# KiCad board q2v2.kicad_pcb (continued)
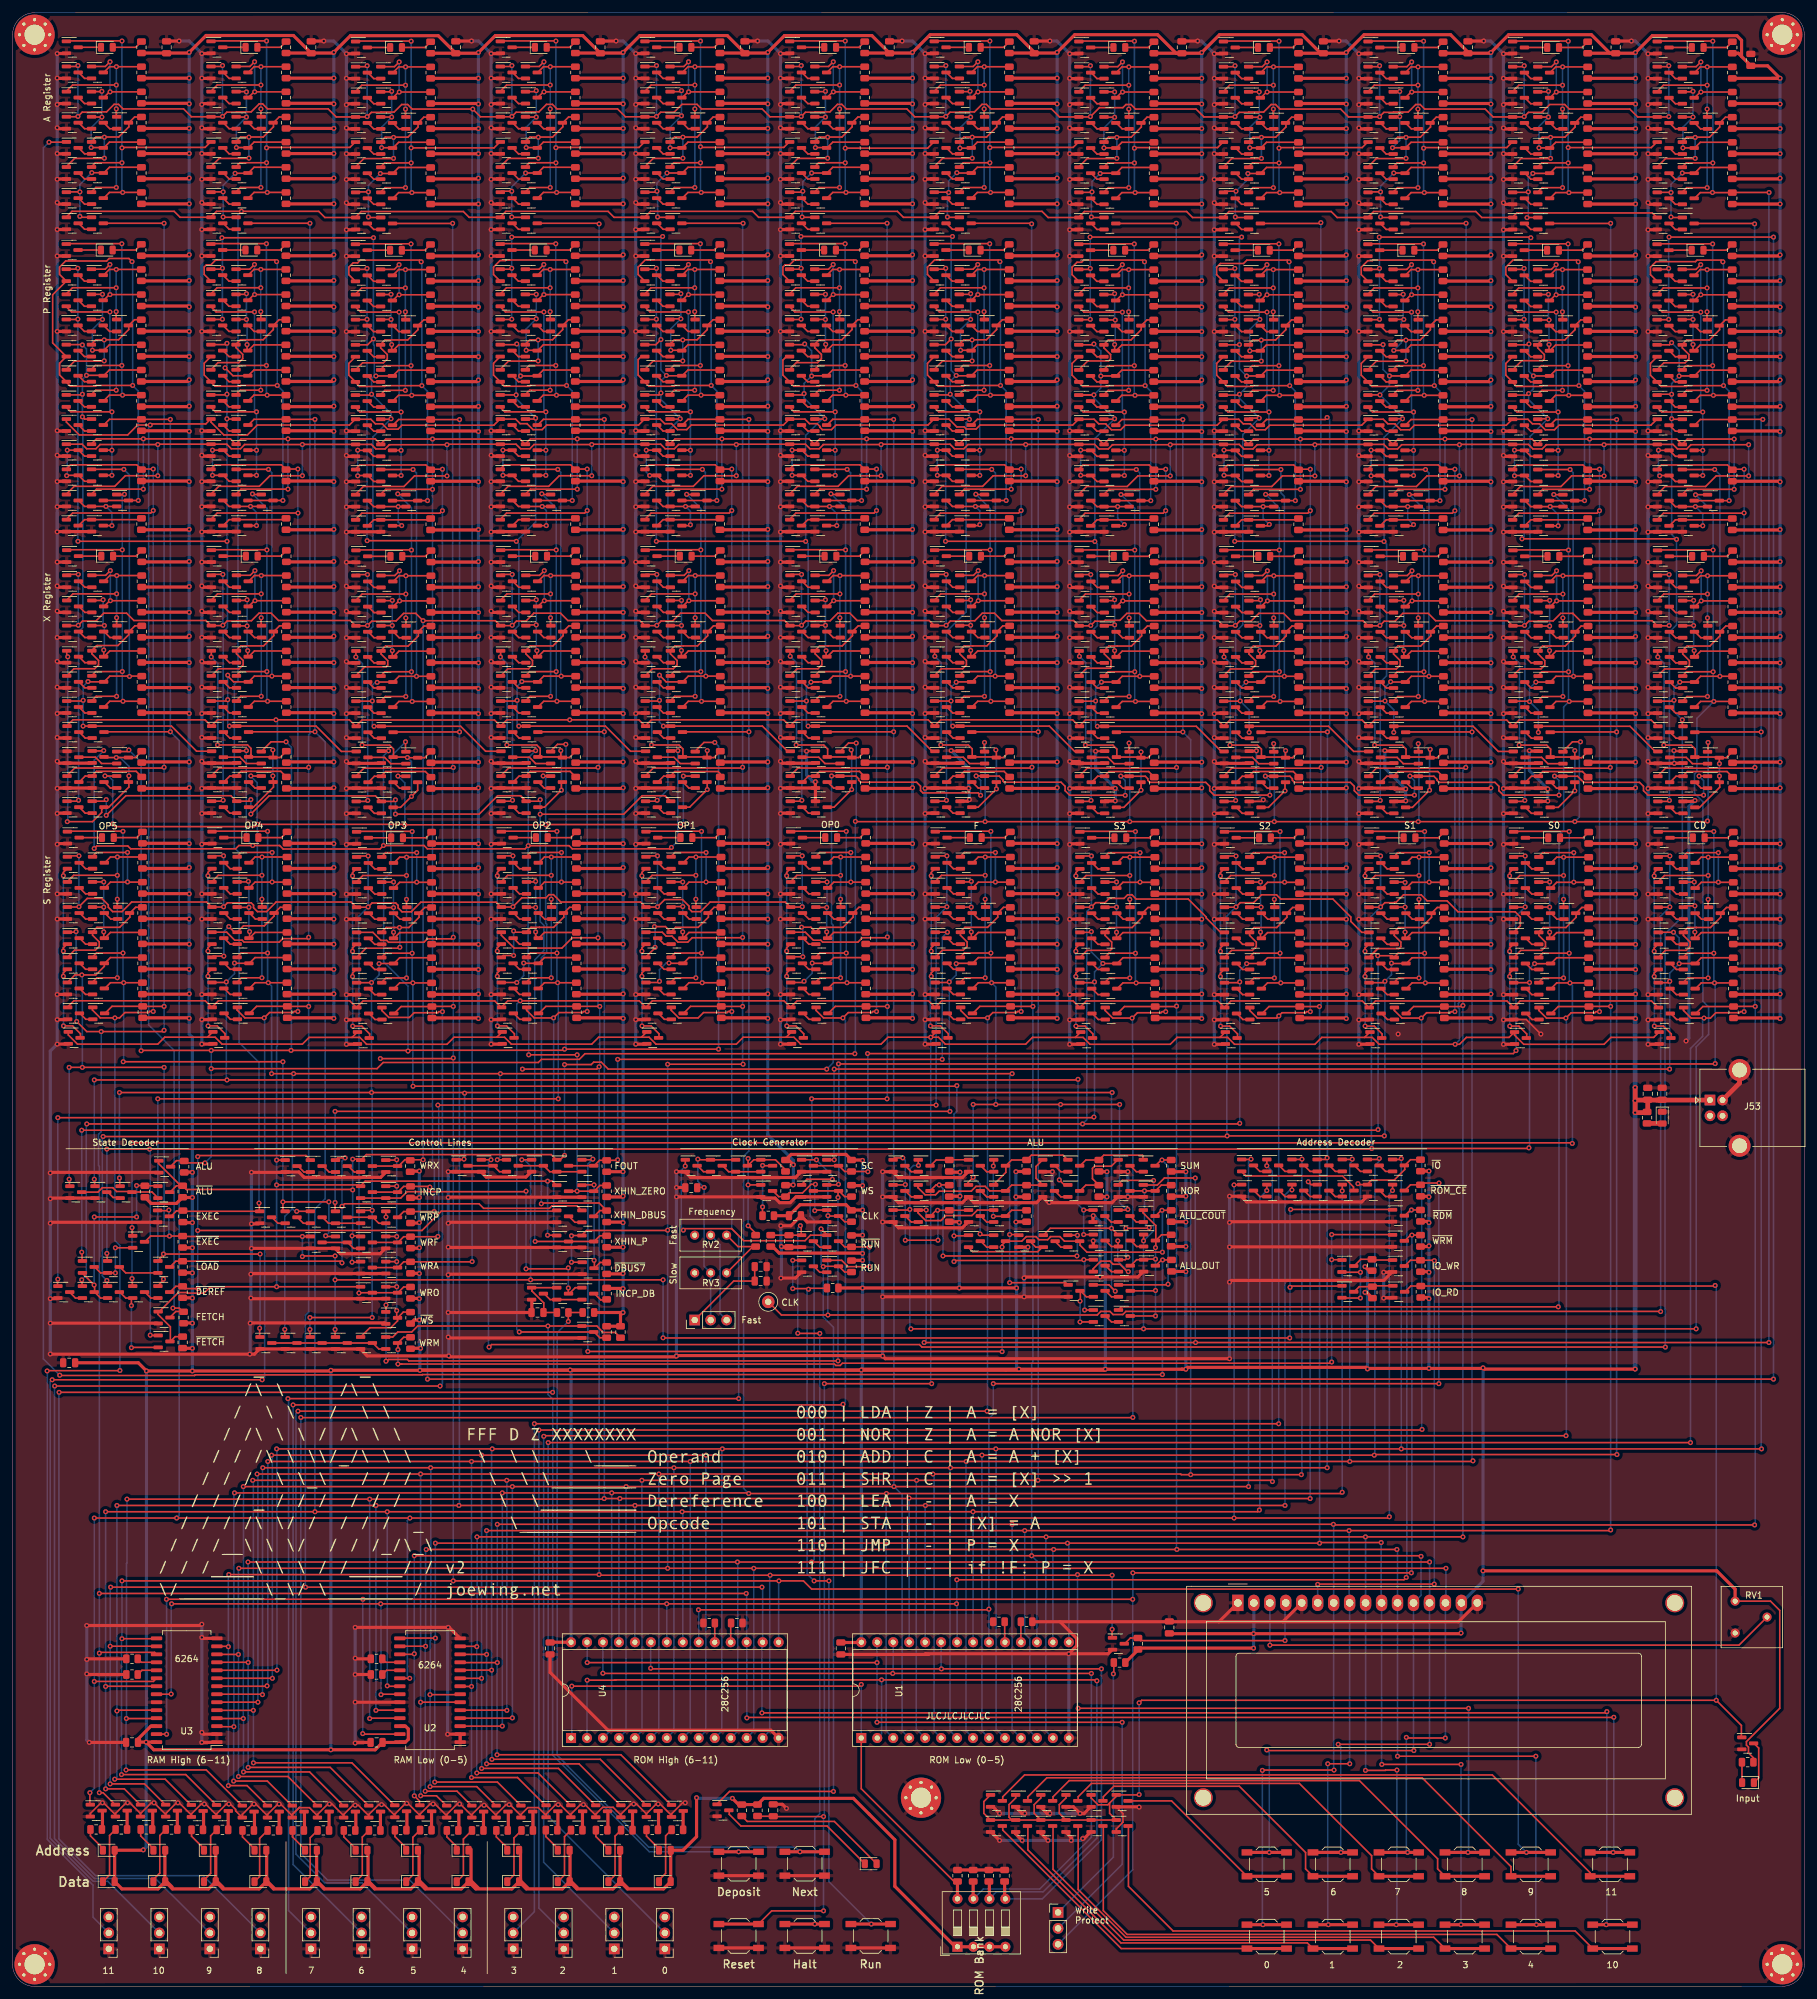
[diagram p0: board, top side]
## Routing (per net, layer and track width the routed paths; a pad name or vN(x,y) marks a point on that pad's centre or on a via; arc(x,y) is an arc through that point) (continued)
Q722.2 ; v1(7.1,279.53) 8.45,279.53 ; 8.55,218.62 7.31,218.62 v1(7.1,218.83) ; 159.5,28.58 160.55,27.53 v1(161,27.53) ; v1(7.1,303.63) 7.15,303.58 8.5,303.58 ; 8.5,283.58 7.35,283.58 v1(7.1,283.83) ; 8.66,173.84 7.11,173.84 v1(7.1,173.83) ; v1(69.3,121.43) 69.45,121.58 86.5,121.58 ; 167.5,28.58 168.75,28.58 v1(169.8,27.53) 170.45,27.53 171.5,28.58 ; v1(165,309.53) 162.55,309.53 ; v1(179.2,28.53) 179.15,28.58 175.5,28.58 ; v1(118.5,309.53) 116.55,309.53 ; v1(26.5,309.53) 24.55,309.53 ; Q885.1 221.52,188.55 v1(221.6,188.63) ; C19.1 v1(12.2,38.83) ; v1(7.1,149.93) 8.75,149.93 ; 8.5,239.48 7.15,239.48 v1(7.1,239.43) ; v1(6,109.43) 7.05,109.43 ; v1(38,121.33) 39.15,121.33 ; v1(160.6,23.23) 159.5,24.33 159.5,24.58 ; v1(221.6,190.53) 219.83,190.53 Q888.2 ; v1(105.6,127.13) 106.95,127.13 ; SW4.2 SW4.2 ; v1(188.5,309.53) 186.05,309.53 ; v1(7.1,235.43) 7.15,235.48 8.5,235.48 ; 265.65,188.55 267.46,188.55 v1(267.61,188.7) ; v1(161.5,117.63) Q279.2 ; 155.95,28.58 v1(157,27.53) ; v1(177.4,129.63) Q260.2 ; R1.2 v1(54.5,49.63) ; v1(193.57,117.65) 193.6,117.68 219.45,117.68 ; Q556.2 Q553.1 ; v1(257.5,309.53) 255.05,309.53 ; v1(211,309.53) 208.55,309.53 ; SW8.2 SW8.2
  Top w0.75: J53.5 274.71,143.74 J53.4
  Bottom w0.25: v1(264.27,196.63) 264.27,194.65 v1(264.33,194.6) ; v1(197.85,196.6) 197.85,189.9 v1(198.95,188.8)
  Bottom w0.5: v1(30.1,186.63) v1(30.1,190.63) v1(30.1,194.93) v1(30.1,198.73) v1(30.1,202.53) v1(30.1,206.73) v1(30.1,210.83) v1(30.1,214.63) v1(30.1,218.83) v1(30.1,222.83) v1(30.1,226.63) 30.1,234.43 ; v1(30.1,231.43) v1(30.1,235.43) v1(30.1,239.43) v1(30.1,243.63) v1(30.1,247.53) v1(30.1,263.33) v1(30.1,275.33) v1(30.1,279.53) v1(30.1,283.83) v1(30.1,287.53) v1(30.1,291.63) v1(30.1,295.73) v1(30.1,299.43) v1(30.1,303.63) v1(30.1,307.53) 28.1,309.53 v1(26.5,309.53) ; 30.1,189.63 v1(30.1,181.73) v1(30.1,173.83) v1(30.1,169.83) v1(30.1,157.83) v1(30.1,153.83) v1(30.1,149.93) ; v1(99.12,279.52) v1(99.12,283.82) v1(99.12,287.52) v1(99.12,291.62) v1(99.12,295.72) v1(99.12,299.42) v1(99.12,303.62) v1(99.12,307.52) 97.12,309.53 v1(96,309.53) ; v1(99.12,186.62) v1(99.12,190.62) v1(99.12,194.92) v1(99.12,198.72) v1(99.12,202.52) v1(99.12,206.72) v1(99.12,210.82) v1(99.12,214.62) v1(99.12,218.82) v1(99.12,222.82) v1(99.12,226.62) 99.12,234.42 ; v1(99.12,231.42) v1(99.12,235.42) v1(99.12,239.42) v1(99.12,243.62) v1(99.12,247.52) v1(99.12,263.32) v1(99.12,275.32) 99.12,283.02 ; 99.12,189.62 v1(99.12,181.72) v1(99.12,173.82) v1(99.12,169.82) v1(99.12,157.82) v1(99.12,153.82) v1(99.12,149.92) ; v1(76.12,186.62) v1(76.12,190.62) v1(76.12,194.92) v1(76.12,198.72) v1(76.12,202.52) v1(76.12,206.72) v1(76.12,210.82) v1(76.12,214.62) v1(76.12,218.82) v1(76.12,222.82) v1(76.12,226.62) 76.12,234.42 ; v1(76.12,231.42) v1(76.12,235.42) v1(76.12,239.42) v1(76.12,243.62) v1(76.12,247.52) v1(76.12,263.32) v1(76.12,275.32) v1(76.12,279.52) v1(76.12,283.82) v1(76.12,287.52) v1(76.12,291.62) v1(76.12,295.72) v1(76.12,299.42) v1(76.12,303.62) v1(76.12,307.52) 74.12,309.53 v1(73,309.53) ; 76.12,189.62 v1(76.12,181.72) v1(76.12,173.82) v1(76.12,169.82) v1(76.12,157.82) v1(76.12,153.82) v1(76.12,149.92) ; v1(53.1,186.6) v1(53.1,190.6) v1(53.1,194.9) v1(53.1,198.7) v1(53.1,202.5) v1(53.1,206.7) v1(53.1,210.8) v1(53.1,214.6) v1(53.1,218.8) v1(53.1,222.8) v1(53.1,226.6) 53.1,234.4 ; v1(53.1,231.4) v1(53.1,235.4) v1(53.1,239.4) v1(53.1,243.6) v1(53.1,247.5) v1(53.1,263.3) v1(53.1,275.3) v1(53.1,279.5) v1(53.1,283.8) v1(53.1,287.5) v1(53.1,291.6) v1(53.1,295.7) v1(53.1,299.4) v1(53.1,303.6) v1(53.1,307.5) 51.07,309.53 v1(49.5,309.53) ; 53.1,189.6 v1(53.1,181.7) v1(53.1,173.8) v1(53.1,169.8) v1(53.1,157.8) v1(53.1,153.8) v1(53.1,149.9) ; 260.15,234.4 v1(260.15,226.6) v1(260.15,222.8) v1(260.15,218.8) v1(260.15,214.6) v1(260.15,210.8) v1(260.15,206.7) v1(260.15,202.5) v1(260.15,198.7) v1(260.15,194.9) v1(260.15,190.6) v1(260.15,186.6) ; 237.15,234.4 v1(237.15,226.6) v1(237.15,222.8) v1(237.15,218.8) v1(237.15,214.6) v1(237.15,210.8) v1(237.15,206.7) v1(237.15,202.5) v1(237.15,198.7) v1(237.15,194.9) v1(237.15,190.6) v1(237.15,186.6) ; v1(122.15,149.92) v1(122.15,153.82) v1(122.15,157.82) v1(122.15,169.82) v1(122.15,173.82) v1(122.15,181.72) 122.15,189.62 ; v1(214.15,149.9) v1(214.15,153.8) v1(214.15,157.8) v1(214.15,169.8) v1(214.15,173.8) v1(214.15,181.7) 214.15,189.6 ; 214.15,234.4 v1(214.15,226.6) v1(214.15,222.8) v1(214.15,218.8) v1(214.15,214.6) v1(214.15,210.8) v1(214.15,206.7) v1(214.15,202.5) v1(214.15,198.7) v1(214.15,194.9) v1(214.15,190.6) v1(214.15,186.6) ; v1(191.15,149.9) v1(191.15,153.8) v1(191.15,157.8) v1(191.15,169.8) v1(191.15,173.8) v1(191.15,181.7) 191.15,189.6 ; v1(191.15,231.4) v1(191.15,235.4) v1(191.15,239.4) v1(191.15,243.6) v1(191.15,247.5) v1(191.15,263.3) v1(191.15,275.3) v1(191.15,279.5) v1(191.15,283.8) v1(191.15,287.5) v1(191.15,291.6) v1(191.15,295.7) v1(191.15,299.4) v1(191.15,303.6) v1(191.15,307.5) 189.12,309.53 v1(188.5,309.53) ; 168.15,189.6 v1(168.15,181.7) v1(168.15,173.8) v1(168.15,169.8) v1(168.15,157.8) v1(168.15,153.8) v1(168.15,149.9) ; v1(168.15,231.4) v1(168.15,235.4) v1(168.15,239.4) v1(168.15,243.6) v1(168.15,247.5) v1(168.15,263.3) v1(168.15,275.3) v1(168.15,279.5) v1(168.15,283.8) v1(168.15,287.5) v1(168.15,291.6) v1(168.15,295.7) v1(168.15,299.4) v1(168.15,303.6) v1(168.15,307.5) 166.12,309.53 v1(165,309.53) ; 168.15,234.4 v1(168.15,226.6) v1(168.15,222.8) v1(168.15,218.8) v1(168.15,214.6) v1(168.15,210.8) v1(168.15,206.7) v1(168.15,202.5) v1(168.15,198.7) v1(168.15,194.9) v1(168.15,190.6) v1(168.15,186.6) ; 145.15,189.62 v1(145.15,181.72) v1(145.15,173.82) v1(145.15,169.82) v1(145.15,157.82) v1(145.15,153.82) v1(145.15,149.92) ; v1(145.15,186.62) v1(145.15,190.62) v1(145.15,194.92) v1(145.15,198.72) v1(145.15,202.52) v1(145.15,206.72) v1(145.15,210.82) v1(145.15,214.62) v1(145.15,218.82) v1(145.15,222.82) v1(145.15,226.62) 145.15,234.42 ; 122.15,234.42 v1(122.15,226.62) v1(122.15,222.82) v1(122.15,218.82) v1(122.15,214.62) v1(122.15,210.82) v1(122.15,206.72) v1(122.15,202.52) v1(122.15,198.72) v1(122.15,194.92) v1(122.15,190.62) v1(122.15,186.62) ; v1(260.15,149.9) v1(260.15,153.8) v1(260.15,157.8) v1(260.15,169.8) v1(260.15,173.8) v1(260.15,181.7) 260.15,189.6 ; 237.15,189.6 v1(237.15,181.7) v1(237.15,173.8) v1(237.15,169.8) v1(237.15,157.8) v1(237.15,153.8) v1(237.15,149.9) ; v1(237.15,231.4) v1(237.15,235.4) v1(237.15,239.4) v1(237.15,243.6) v1(237.15,247.5) v1(237.15,263.3) v1(237.15,275.3) v1(237.15,279.5) v1(237.15,283.8) v1(237.15,287.5) v1(237.15,291.6) v1(237.15,295.7) v1(237.15,299.4) v1(237.15,303.6) v1(237.15,307.5) 235.12,309.53 v1(234,309.53) ; 191.15,234.4 v1(191.15,226.6) v1(191.15,222.8) v1(191.15,218.8) v1(191.15,214.6) v1(191.15,210.8) v1(191.15,206.7) v1(191.15,202.5) v1(191.15,198.7) v1(191.15,194.9) v1(191.15,190.6) v1(191.15,186.6) ; v1(260.15,231.4) v1(260.15,235.4) v1(260.15,239.4) v1(260.15,243.6) v1(260.15,247.5) v1(260.15,263.3) v1(260.15,275.3) v1(260.15,279.5) v1(260.15,283.8) v1(260.15,287.5) v1(260.15,291.6) v1(260.15,295.7) v1(260.15,299.4) v1(260.15,303.6) v1(260.15,307.5) 258.12,309.53 v1(257.5,309.53) ; v1(214.15,231.4) v1(214.15,235.4) v1(214.15,239.4) v1(214.15,243.6) v1(214.15,247.5) v1(214.15,263.3) v1(214.15,275.3) v1(214.15,279.5) v1(214.15,283.8) v1(214.15,287.5) v1(214.15,291.6) v1(214.15,295.7) v1(214.15,299.4) v1(214.15,303.6) v1(214.15,307.5) 212.12,309.53 v1(211,309.53) ; v1(145.15,231.42) v1(145.15,235.42) v1(145.15,239.42) v1(145.15,243.62) v1(145.15,247.52) v1(145.15,263.32) v1(145.15,283.82) v1(145.15,287.52) v1(145.15,291.62) v1(145.15,295.72) v1(145.15,299.42) v1(145.15,303.62) v1(145.15,307.52) 143.15,309.53 v1(141.5,309.53) ; v1(122.15,231.42) v1(122.15,235.42) v1(122.15,239.42) v1(122.15,243.62) v1(122.15,247.52) v1(122.15,263.32) v1(122.15,275.32) v1(122.15,279.52) v1(122.15,283.82) v1(122.15,287.52) v1(122.15,291.62) v1(122.15,295.72) v1(122.15,299.42) v1(122.15,303.62) v1(122.15,307.52) 120.15,309.53 v1(118.5,309.53) ; v1(266.2,150.43) 266.65,150.88 266.65,187.74 v1(267.61,188.7) ; v1(170.22,23.53) 169.93,23.23 v1(168.4,23.23) v1(164.7,23.23) v1(160.6,23.23) v1(157,23.23) ; v1(69.38,100.33) 69.38,103.25 v1(69.3,103.33) v1(69.3,107.23) v1(69.3,113.23) v1(69.3,117.63) v1(69.3,121.43) v1(69.3,125.53) v1(69.3,129.63) ; v1(7.1,186.63) v1(7.1,190.63) v1(7.1,194.93) v1(7.1,198.73) v1(7.1,202.53) v1(7.1,206.73) v1(7.1,210.83) v1(7.1,214.63) v1(7.1,218.83) v1(7.1,222.83) v1(7.1,226.63) 7.1,234.43 ; v1(169.8,27.53) v1(165,27.53) v1(161,27.53) v1(157,27.53) ; 172.97,118.8 172.8,118.63 v1(171.9,118.63) ; 172.97,118.8 172.97,121.65 172,122.63 v1(171.9,122.63) ; 172.97,118.8 v1(172.97,112.88) ; v1(127.7,191.67) 127.35,191.67 126.3,192.73 v1(126.3,196.53) ; v1(160.9,109.73) v1(160.9,112.73) 160.9,117.03 v1(161.5,117.63) ; v1(11.8,57.43) v1(11.8,52.03) v1(11.8,49.73) 11.8,39.23 v1(12.2,38.83) ; 164.87,124.7 v1(164.9,124.73) 165.4,125.23 v1(165.4,129.63) ; v1(7.1,231.43) v1(7.1,235.43) v1(7.1,239.43) v1(7.1,243.63) v1(7.1,247.53) v1(7.1,263.33) v1(7.1,275.33) v1(7.1,279.53) v1(7.1,283.83) v1(7.1,287.53) v1(7.1,291.63) v1(7.1,295.73) v1(7.1,299.43) v1(7.1,303.63) v1(7.1,307.53) ; v1(30.1,57.63) v1(30.1,55.53) v1(30.1,40.43) v1(30.1,38.83) ; v1(172.28,196.53) 172.28,193.75 v1(175.4,190.63) v1(175.4,188.63) ; v1(244.2,188.6) v1(244.2,190.53) 241.27,193.45 v1(241.27,196.63) ; v1(37.73,100.6) 37.8,100.68 v1(37.8,105.53) 37.9,105.63 v1(37.9,109.53) v1(37.9,113.33) 38,113.43 v1(38,117.43) v1(38,121.33) v1(38,129.53) ; v1(168,52.93) 168.02,52.91 U1.14 ; v1(218.1,109.53) v1(218.1,113.63) ; v1(69.2,40.13) 69.2,57.03 v1(69.3,57.13) ; v1(221.6,188.63) v1(221.6,190.53) 218.27,193.85 v1(218.27,196.63) ; v1(54.5,57.13) v1(54.5,52.23) v1(54.5,49.63) v1(54.5,45.23) v1(54.5,38.73) ; 7.1,189.63 v1(7.1,181.73) v1(7.1,173.83) v1(7.1,169.83) v1(7.1,157.83) v1(7.1,153.83) v1(7.1,149.93) 6,148.83 v1(6,129.43) v1(6,121.43) v1(6,109.43) v1(6,105.53) v1(6,100.63) ; v1(105.6,129.63) v1(105.6,127.13) v1(105.6,125.63) v1(105.6,100.3) ; v1(122.2,121.03) 122.2,117.83 v1(122.3,117.73) 122.3,112.79 v1(122.22,112.71) ; v1(177.4,125.63) v1(177.4,129.63) ; v1(193.57,99.88) v1(193.57,112.05) v1(193.57,117.65) v1(193.57,121.55) v1(193.57,125.73) ; v1(138.4,100.3) v1(138.4,109.73) v1(138.4,121.63) v1(138.4,125.63) v1(138.4,129.63) ; v1(149.3,196.63) 152.08,193.84 v1(152.08,190.63) 152.2,190.51 v1(152.2,188.83)
  vias: v1(102.7,29.03) v1(220.4,151.53)
